# Allegro board LAY-29615_B4.brd (continued)
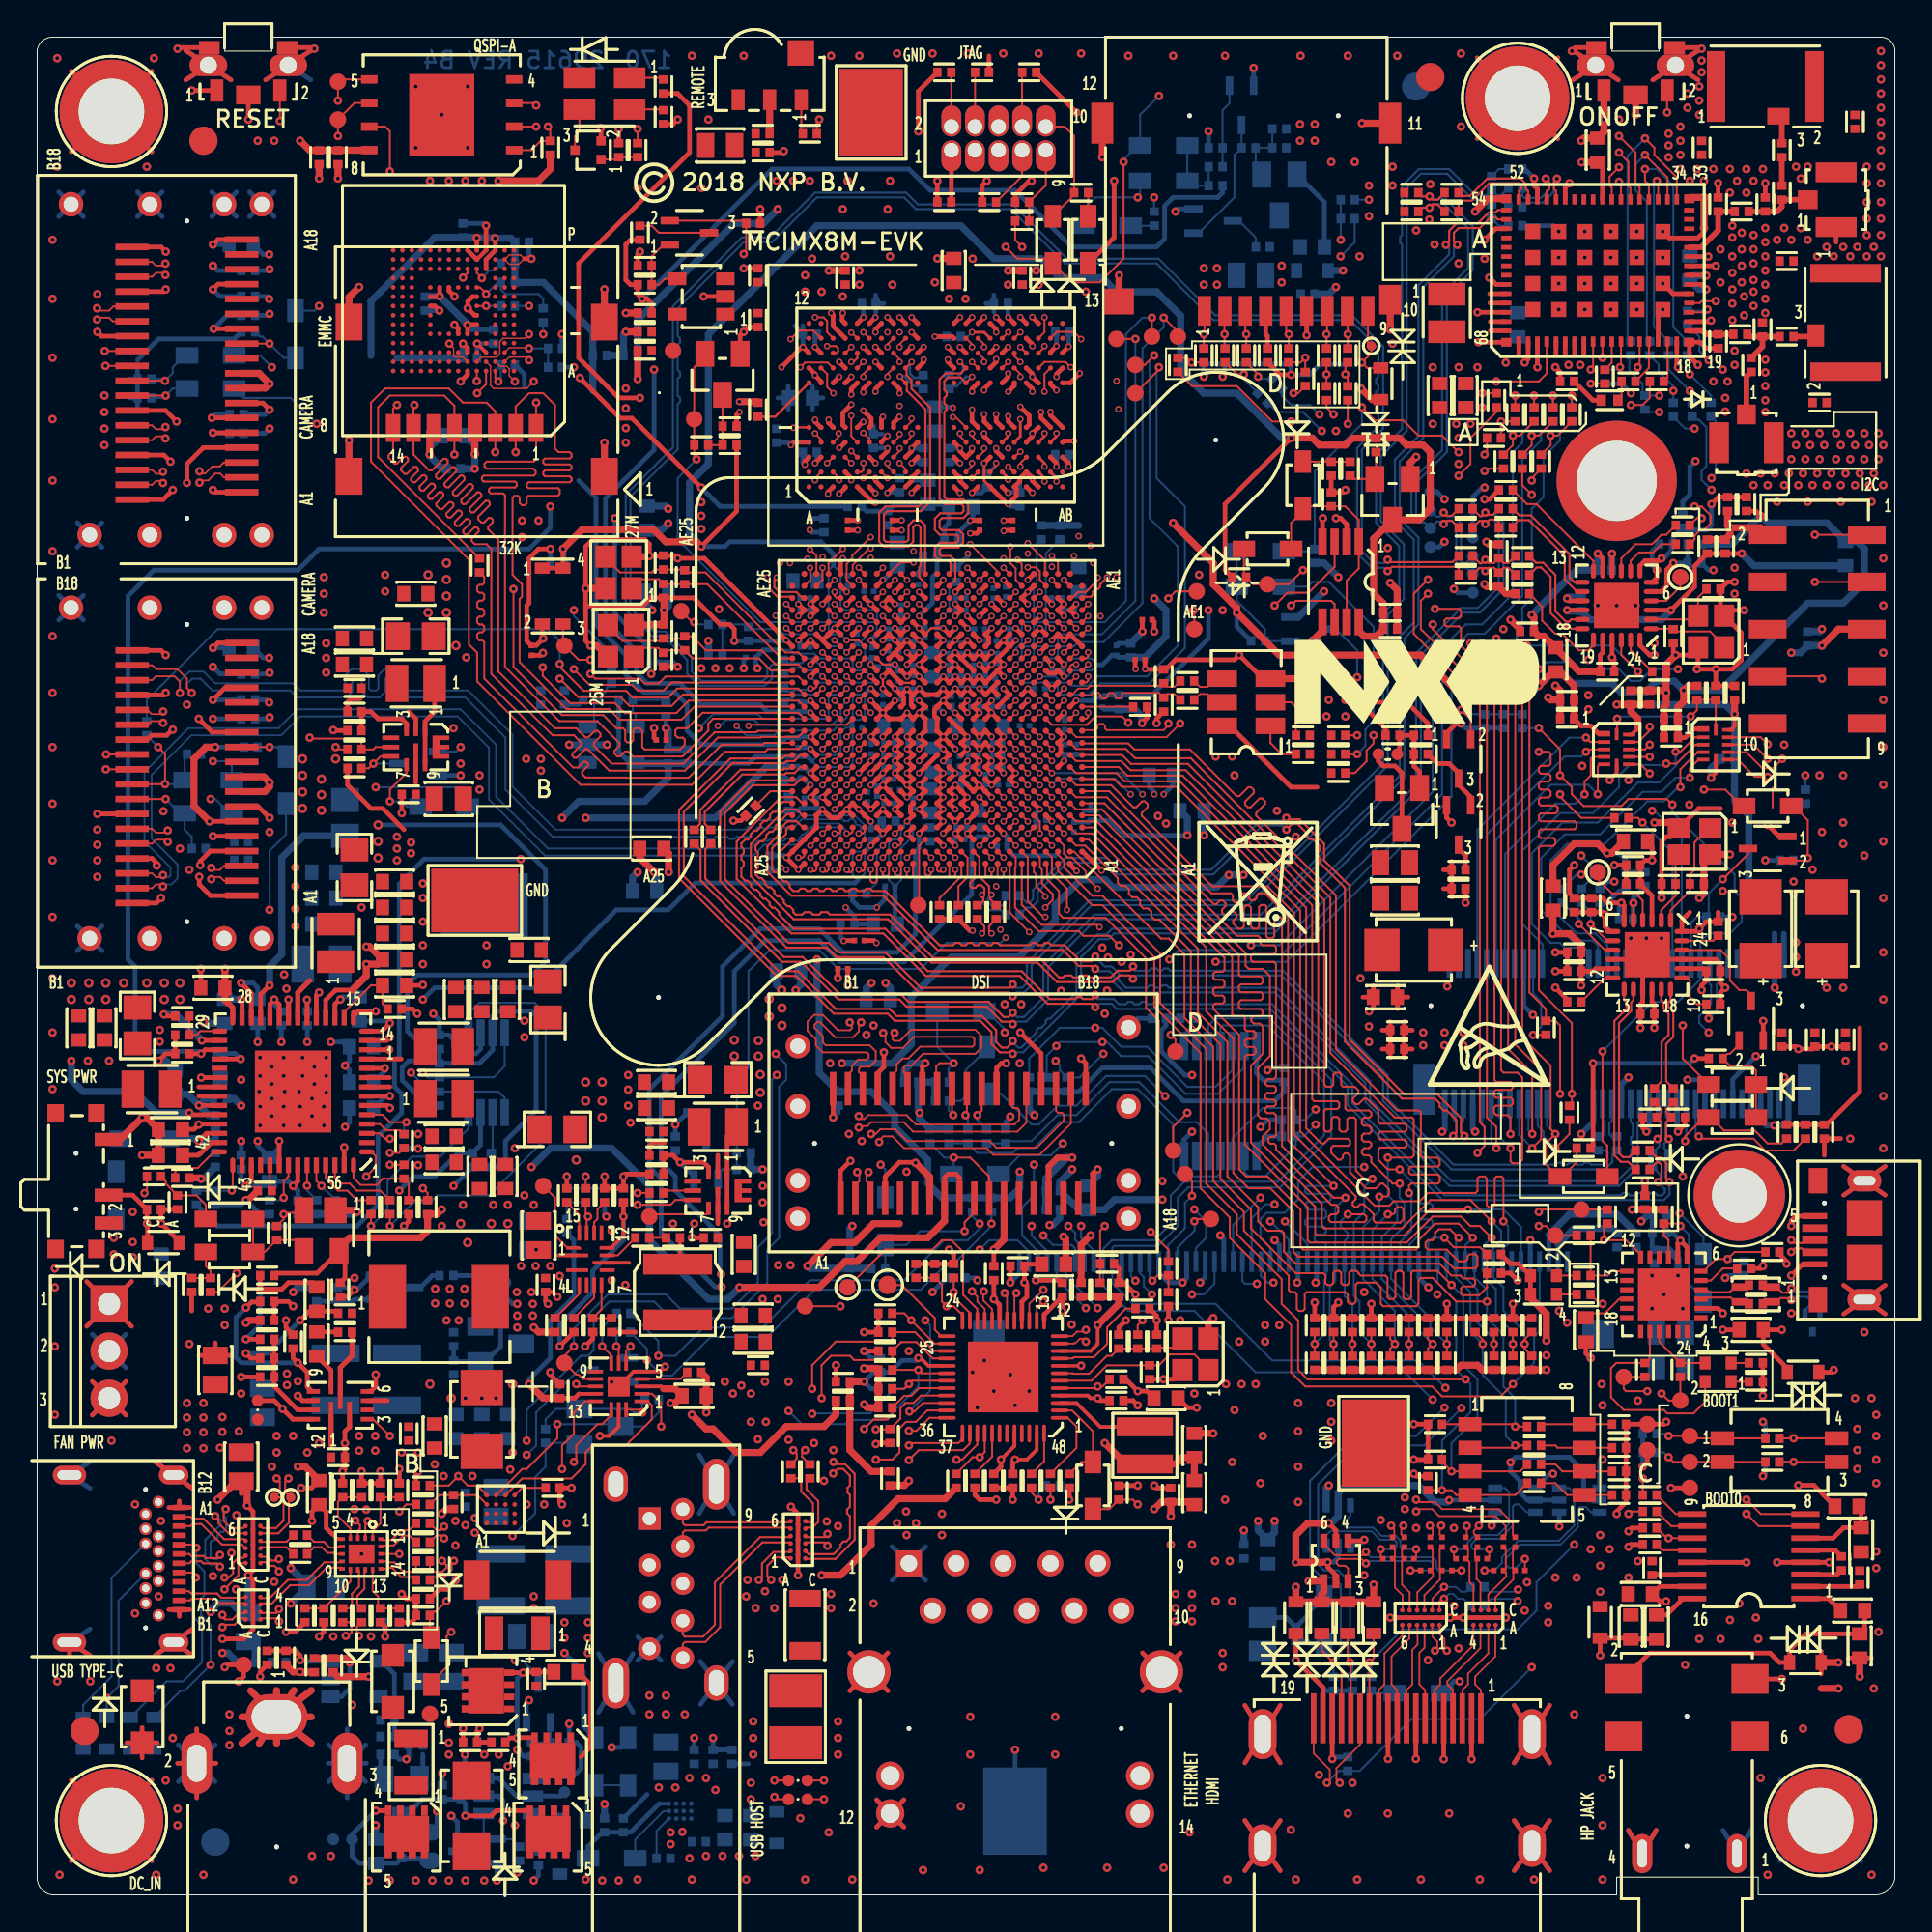
[diagram p0: board, top side]
## Routing (per net, layer and track width the routed paths; a pad name or vN(x,y) marks a point on that pad's centre or on a via; arc(x,y) is an arc through that point) (continued)
  L3_POWER_1 w0.254: 1.16,91.67 J1502.T8 ; J1502.T8 1.16,90.34 ; J1502.T8 2.49,90.34 ; J1502.T8 2.49,91.67 ; J1502.T7 6.73,90.34 ; J1502.T7 5.4,90.34 ; J1502.T7 6.73,91.67 ; J1502.T7 5.4,91.67 ; J901.SH3 2.85,23.31 ; J901.SH3 0.63,23.31 ; J901.SH3 0.63,21.89 ; J901.SH3 2.85,21.89 ; 97.24,32.82 J1701.S1 ; J1701.S1 97.24,31.27 ; J1701.S1 99.48,32.82 ; J1701.S1 99.48,31.27 ; 2.16,50.83 J1503.T4 2.16,52.15 ; 90.75,3.48 J1101.1 92.25,3.48 ; SW1702.7 10.44,97.7 ; SW1702.7 8,97.7 ; SW1702.7 8,99.28 ; 8.59,5.23 J902.2 ; J902.2 8.59,8.94 ; J902.2 9.62,7.08 ; J902.2 7.56,7.08 ; 15.66,7.08 J902.3 ; J902.3 17.72,7.08 ; J902.3 16.69,8.94 ; J902.3 16.69,5.23 ; J1201.12 46.65,5.12 ; J1201.12 45.19,3.65 ; J1201.12 45.19,5.12 ; J1201.12 46.65,3.65 ; BH1402.1 6.17,93.83 ; BH1402.1 1.83,98.17 ; BH1402.1 1.83,93.83 ; BH1402.1 6.17,98.17 ; 65.01,1.31 J1001.G4 ; J1001.G4 66.92,4 ; J1001.G4 65.01,4 ; J1001.G4 66.92,1.31 ; 8.35,23.31 J901.SH1 6.35,23.31 ; 2.97,27.64 J802.3 ; J802.3 2.97,25.83 ; J802.3 4.78,25.83 ; J802.3 4.78,27.64 ; 87.15,3.48 J1101.4 85.65,3.48 ; J1001.G3 81.42,1.31 ; J1001.G3 79.51,4 ; J1001.G3 79.51,1.31 ; J1001.G3 81.42,4 ; 0.63,12.89 J901.SH4 ; J901.SH4 2.85,14.31 ; J901.SH4 0.63,14.31 ; J901.SH4 2.85,12.89 ; 86.97,97.7 SW1701.6 ; SW1701.6 89.41,99.28 ; SW1701.6 89.41,97.7 ; 2.97,30.91 J802.1 ; J802.1 4.78,32.72 ; J802.1 2.97,32.72 ; J802.1 4.78,30.91 ; BH1404.1 98.17,1.83 ; BH1404.1 98.17,6.17 ; BH1404.1 93.83,6.17 ; BH1404.1 93.83,1.83 ; 1.83,6.17 BH1401.1 ; BH1401.1 6.17,1.83 ; BH1401.1 6.17,6.17 ; BH1401.1 1.83,1.83 ; 82.67,97.7 SW1701.7 ; SW1701.7 85.11,97.7 ; SW1701.7 82.67,99.28 ; BH1403.1 81.86,94.54 ; BH1403.1 77.52,94.54 ; BH1403.1 81.86,98.88 ; BH1403.1 77.52,98.88 ; 7.35,12.89 J901.SH2 ; J901.SH2 6.35,12.89 ; J901.SH2 7.35,14.24 J901.B1 ; 12.3,97.7 SW1702.6 ; SW1702.6 14.74,99.28 ; SW1702.6 14.74,97.7 ; 97.24,39.22 J1701.S2 ; J1701.S2 97.24,37.67 ; J1701.S2 99.48,37.67 ; J1701.S2 99.48,39.22
  L4_INT_1 w0.254: 82.67,97.7 SW1701.7 ; SW1701.7 82.67,99.28 ; SW1701.7 85.11,97.7 ; BH1406.1 87.41,78.5 ; BH1406.1 82.64,73.73 ; BH1406.1 82.64,78.5 ; BH1406.1 87.41,73.73 ; 46.24,17.15 J1201.1 ; J1201.1 47.61,17.15 ; J1201.1 46.24,18.53 ; J1201.1 47.61,18.53 ; J1502.T6 10.73,90.34 ; J1502.T6 10.73,91.67 ; J1502.T6 9.4,91.67 ; J1502.T6 9.4,90.34 ; BH1404.1 98.17,1.83 ; BH1404.1 98.17,6.17 ; BH1404.1 93.83,6.17 ; BH1404.1 93.83,1.83 ; 97.24,32.82 J1701.S1 ; J1701.S1 99.48,31.27 ; J1701.S1 97.24,31.27 ; J1701.S1 99.48,32.82 ; 8.35,21.89 J901.SH1 7.35,21.89 ; SW1701.6 89.41,99.28 ; SW1701.6 86.97,97.7 ; SW1701.6 89.41,97.7 ; 79.51,10.2 J1001.G1 ; J1001.G1 81.42,10.2 ; J1001.G1 79.51,7.1 ; J1001.G1 81.42,7.1 ; 7.56,7.08 J902.2 ; J902.2 9.62,7.08 ; J902.2 8.59,8.94 ; J902.2 8.59,5.23 ; 65.01,4 J1001.G4 ; J1001.G4 66.92,4 ; J1001.G4 65.01,1.31 ; J1001.G4 66.92,1.31 ; 65.01,10.2 J1001.G2 ; J1001.G2 66.92,10.2 ; J1001.G2 65.01,7.1 ; J1001.G2 66.92,7.1 ; 12.3,97.7 SW1702.6 ; SW1702.6 14.74,97.7 ; SW1702.6 14.74,99.28 ; 97.24,37.67 J1701.S2 ; J1701.S2 99.48,39.22 ; J1701.S2 97.24,39.22 ; J1701.S2 99.48,37.67 ; 87.15,3.48 J1101.4 85.65,3.48 ; 11.43,91.67 J1502.T5 ; J1502.T5 12.76,91.67 ; J1502.T5 12.76,90.34 ; J1502.T5 11.43,90.34 ; 1.83,93.83 BH1402.1 ; BH1402.1 6.17,93.83 ; BH1402.1 6.17,98.17 ; BH1402.1 1.83,98.17 ; 77.52,94.54 BH1403.1 ; BH1403.1 81.86,94.54 ; BH1403.1 77.52,98.88 ; BH1403.1 81.86,98.88 ; J1502.T8 2.49,91.67 ; J1502.T8 2.49,90.34 ; J1502.T8 1.16,91.67 ; J1502.T8 1.16,90.34 ; J1502.T7 6.73,90.34 ; J1502.T7 6.73,91.67 ; J1502.T7 5.4,91.67 ; J1502.T7 5.4,90.34 ; 79.51,4 J1001.G3 ; J1001.G3 81.42,4 ; J1001.G3 81.42,1.31 ; J1001.G3 79.51,1.31 ; J1201.12 46.65,3.65 ; J1201.12 45.19,5.12 ; J1201.12 46.65,5.12 ; J1201.12 45.19,3.65 ; J901.SH2 8.35,12.89 ; J901.SH2 8.35,14.31 ; J901.SH2 6.35,12.89 ; 8,99.28 SW1702.7 ; SW1702.7 8,97.7 ; SW1702.7 10.44,97.7 ; BH1405.1 93.57,39.59 ; BH1405.1 89.69,39.59 ; BH1405.1 89.69,35.72 ; BH1405.1 93.57,35.72 ; BH1401.1 6.17,1.83 ; BH1401.1 1.83,1.83 ; BH1401.1 6.17,6.17 ; BH1401.1 1.83,6.17 ; 1.74,21.89 J901.SH3 2.85,21.89 ; 2.85,12.89 J901.SH4 2.85,14.31 ; 92.25,3.48 J1101.1 90.75,3.48
  L5_GND_2 w0.254: J1001.G2 66.92,7.1 ; J1001.G2 65.01,7.1 ; J1001.G2 65.01,10.2 ; J1001.G2 66.92,10.2 ; 6.35,12.89 J901.SH2 ; J901.SH2 8.35,14.31 ; J901.SH2 8.35,12.89 ; J1503.T8 2.49,68.63 ; J1503.T8 2.49,69.95 ; J1503.T8 1.16,69.95 ; J1503.T8 1.16,68.63 ; 1.16,90.34 J1502.T8 ; J1502.T8 2.49,91.67 ; J1502.T8 2.49,90.34 ; J1502.T8 1.16,91.67 ; 9.4,52.15 J1503.T2 ; J1503.T2 10.73,50.83 ; J1503.T2 9.4,50.83 ; J1503.T2 10.73,52.15 ; 2.16,52.15 J1503.T4 ; J1503.T4 3.49,52.15 ; J1503.T4 2.16,50.83 ; J1503.T4 3.49,50.83 ; 30.22,9.83 J903.S2 ; J903.S2 32.07,9.83 ; J903.S2 32.07,12.98 ; J903.S2 30.22,12.98 ; 2.85,12.89 J901.SH4 2.85,14.31 ; 8.59,5.23 J902.2 ; J902.2 7.56,7.08 ; J902.2 9.62,7.08 ; J902.2 8.59,8.94 ; 82.64,73.73 BH1406.1 ; BH1406.1 87.41,73.73 ; BH1406.1 82.64,78.5 ; BH1406.1 87.41,78.5 ; J1501.T2 41.61,39.11 ; J1501.T2 40.29,39.11 ; J1501.T2 40.29,37.79 ; J1501.T2 41.61,37.79 ; J1001.G3 81.42,4 ; J1001.G3 79.51,1.31 ; J1001.G3 81.42,1.31 ; J1001.G3 79.51,4 ; J1502.T6 10.73,91.67 ; J1502.T6 9.4,91.67 ; J1502.T6 9.4,90.34 ; J1502.T6 10.73,90.34 ; 40.29,41.79 J1501.T3 ; J1501.T3 41.61,41.79 ; J1501.T3 41.61,43.11 ; J1501.T3 40.29,43.11 ; 86.97,97.7 SW1701.6 ; SW1701.6 89.41,97.7 ; SW1701.6 89.41,99.28 ; 97.24,39.22 J1701.S2 ; J1701.S2 99.48,39.22 ; J1701.S2 97.24,37.67 ; J1701.S2 99.48,37.67 ; 77.52,98.88 BH1403.1 ; BH1403.1 77.52,94.54 ; BH1403.1 81.86,94.54 ; BH1403.1 81.86,98.88 ; J903.S4 37.43,12.56 ; J903.S4 37.43,10.25 ; J903.S4 35.7,10.25 ; J903.S4 35.7,12.56 ; J903.7 35.38,17.38 ; J903.7 34.13,17.38 ; J903.7 34.13,16.13 ; J903.7 35.38,16.13 ; J1503.T1 12.76,50.83 ; J1503.T1 12.76,52.15 ; J1503.T1 11.43,50.83 ; J1503.T1 11.43,52.15 ; 15.66,7.08 J902.3 ; J902.3 16.69,8.94 ; J902.3 16.69,5.23 ; J902.3 17.72,7.08 ; SW1702.6 14.74,97.7 ; SW1702.6 12.3,97.7 ; SW1702.6 14.74,99.28 ; J1001.G4 66.92,4 ; J1001.G4 65.01,4 ; J1001.G4 65.01,1.31 ; J1001.G4 66.92,1.31 ; J901.SH1 8.35,21.89 ; J901.SH1 8.35,23.31 ; J901.SH1 6.35,23.31 ; 2.97,32.72 J802.1 ; J802.1 2.97,30.91 ; J802.1 4.78,30.91 ; J802.1 4.78,32.72 ; J1503.T3 6.73,52.15 ; J1503.T3 5.4,50.83 ; J1503.T3 6.73,50.83 ; J1503.T3 5.4,52.15 ; 30.28,20.95 J903.S1 ; J903.S1 30.28,23.26 ; J903.S1 32.01,20.95 ; J903.S1 32.01,23.26 ; 11.43,73.87 J1502.T1 ; J1502.T1 11.43,72.54 ; J1502.T1 12.76,72.54 ; J1502.T1 12.76,73.87 ; 52.49,92.57 J401.5 51.01,92.57 ; 82.67,97.7 SW1701.7 ; SW1701.7 85.11,97.7 ; SW1701.7 82.67,99.28 ; 1.83,6.17 BH1401.1 ; BH1401.1 6.17,6.17 ; BH1401.1 1.83,1.83 ; BH1401.1 6.17,1.83 ; BH1405.1 93.57,35.72 ; BH1405.1 93.57,39.59 ; BH1405.1 89.69,35.72 ; BH1405.1 89.69,39.59 ; J1501.T7 59.41,41.79 ; J1501.T7 58.08,41.79 ; J1501.T7 58.08,43.11 ; J1501.T7 59.41,43.11 ; BH1402.1 6.17,98.17 ; BH1402.1 1.83,98.17 ; BH1402.1 1.83,93.83 ; BH1402.1 6.17,93.83 ; 79.51,7.1 J1001.G1 ; J1001.G1 81.42,10.2 ; J1001.G1 79.51,10.2 ; J1001.G1 81.42,7.1 ; 8,99.28 SW1702.7 ; SW1702.7 10.44,97.7 ; SW1702.7 8,97.7 ; J1502.T2 10.73,72.54 ; J1502.T2 10.73,73.87 ; J1502.T2 9.4,72.54 ; J1502.T2 9.4,73.87 ; 58.08,39.11 J1501.T6 ; J1501.T6 59.41,39.11 ; J1501.T6 58.08,37.79 ; J1501.T6 59.41,37.79 ; J1502.T5 12.76,90.34 ; J1502.T5 11.43,90.34 ; J1502.T5 11.43,91.67 ; J1502.T5 12.76,91.67 ; 51.22,92.57 J401.3 49.74,92.57 ; J1501.T1 41.61,35.76 ; J1501.T1 40.29,35.76 ; J1501.T1 40.29,37.08 ; J1501.T1 41.61,37.08 ; J1501.T4 41.61,45.03 ; J1501.T4 40.29,45.03 ; J1501.T4 41.61,46.35 ; J1502.T4 3.49,72.54 ; J1502.T4 2.16,72.54 ; J1502.T4 3.49,73.87 ; J1502.T4 2.16,73.87 ; 9.4,68.63 J1503.T6 ; J1503.T6 9.4,69.95 ; J1503.T6 10.73,69.95 ; J1503.T6 10.73,68.63 ; J1502.T7 6.73,90.34 ; J1502.T7 5.4,91.67 ; J1502.T7 5.4,90.34 ; J1502.T7 6.73,91.67 ; J1501.T8 59.41,47.35 ; J1501.T8 58.08,46.03 ; J1501.T8 58.08,47.35 ; J1501.T8 59.41,46.03 ; 2.97,27.64 J802.3 ; J802.3 2.97,25.83 ; J802.3 4.78,25.83 ; J802.3 4.78,27.64 ; J1501.T5 59.41,37.08 ; J1501.T5 58.08,37.08 ; J1501.T5 58.08,35.76 ; J1501.T5 59.41,35.76 ; BH1404.1 98.17,1.83 ; BH1404.1 93.83,1.83 ; BH1404.1 98.17,6.17 ; BH1404.1 93.83,6.17 ; J1201.1 47.61,18.53 ; J1201.1 46.24,18.53 ; J1201.1 46.24,17.15 ; J1201.1 47.61,17.15 ; J903.S3 37.49,23.68 ; J903.S3 37.49,20.53 ; J903.S3 35.64,23.68 ; J903.S3 35.64,20.53 ; 11.43,69.95 J1503.T5 ; J1503.T5 12.76,69.95 ; J1503.T5 11.43,68.63 ; J1503.T5 12.76,68.63 ; 5.4,73.87 J1502.T3 ; J1502.T3 6.73,73.87 ; J1502.T3 5.4,72.54 ; J1502.T3 6.73,72.54 ; 45.19,3.65 J1201.12 ; J1201.12 46.65,5.12 ; J1201.12 45.19,5.12 ; J1201.12 46.65,3.65 ; 5.4,68.63 J1503.T7 ; J1503.T7 6.73,68.63 ; J1503.T7 6.73,69.95 ; J1503.T7 5.4,69.95 ; J903.4 33.58,13.88 ; J903.4 33.58,12.63 ; J903.4 32.33,12.63 ; J903.4 32.33,13.88 ; 87.15,3.48 J1101.4 85.65,3.48 ; J1701.S1 99.48,31.27 ; J1701.S1 97.24,32.82 ; J1701.S1 99.48,32.82 ; J1701.S1 97.24,31.27 ; 92.25,3.48 J1101.1 90.75,3.48 ; 2.85,21.89 J901.SH3 2.85,23.31
  L6_INT_2 w0.254: 8.59,5.23 J902.2 ; J902.2 9.62,7.08 ; J902.2 7.56,7.08 ; J902.2 8.59,8.94 ; J1001.G3 81.42,1.31 ; J1001.G3 81.42,4 ; J1001.G3 79.51,4 ; J1001.G3 79.51,1.31 ; 2.97,25.83 J802.3 ; J802.3 2.97,27.64 ; J802.3 4.78,25.83 ; J802.3 4.78,27.64 ; 1.16,90.34 J1502.T8 ; J1502.T8 1.16,91.67 ; J1502.T8 2.49,90.34 ; J1502.T8 2.49,91.67 ; SW1701.7 85.11,97.7 ; SW1701.7 82.67,97.7 ; SW1701.7 82.67,99.28 ; 90.75,3.48 J1101.1 92.25,3.48 ; SW1701.6 89.41,99.28 ; SW1701.6 86.97,97.7 ; SW1701.6 89.41,97.7 ; 2.16,50.83 J1503.T4 ; J1503.T4 3.49,50.83 ; J1503.T4 3.49,52.15 ; J1503.T4 2.16,52.15 ; 2.16,72.54 J1502.T4 ; J1502.T4 3.49,72.54 ; J1502.T4 2.16,73.87 ; J1502.T4 3.49,73.87 ; 93.83,1.83 BH1404.1 ; BH1404.1 98.17,6.17 ; BH1404.1 93.83,6.17 ; BH1404.1 98.17,1.83 ; BH1401.1 6.17,1.83 ; BH1401.1 1.83,6.17 ; BH1401.1 6.17,6.17 ; BH1401.1 1.83,1.83 ; 45.19,5.12 J1201.12 ; J1201.12 46.65,3.65 ; J1201.12 45.19,3.65 ; J1201.12 46.65,5.12 ; J1001.G4 66.92,4 ; J1001.G4 66.92,1.31 ; J1001.G4 65.01,4 ; J1001.G4 65.01,1.31 ; 8,99.28 SW1702.7 ; SW1702.7 10.44,97.7 ; SW1702.7 8,97.7 ; 85.65,3.48 J1101.4 87.15,3.48 ; 1.83,93.83 BH1402.1 ; BH1402.1 6.17,93.83 ; BH1402.1 1.83,98.17 ; BH1402.1 6.17,98.17 ; J1502.T7 6.73,91.67 ; J1502.T7 5.4,90.34 ; J1502.T7 6.73,90.34 ; J1502.T7 5.4,91.67 ; J802.1 4.78,32.72 ; J802.1 4.78,30.91 ; J802.1 2.97,30.91 ; J802.1 2.97,32.72 ; J1001.G1 81.42,10.2 ; J1001.G1 81.42,7.1 ; J1001.G1 79.51,10.2 ; J1001.G1 79.51,7.1 ; J901.SH2 8.35,14.31 ; J901.SH2 6.35,12.89 ; J901.SH2 8.35,12.89 ; 2.85,12.89 J901.SH4 2.85,14.31 ; J902.3 16.69,8.94 ; J902.3 16.69,5.23 ; J902.3 17.72,7.08 ; J902.3 15.66,7.08 ; J1503.T8 2.49,69.95 ; J1503.T8 1.16,69.95 ; J1503.T8 2.49,68.63 ; J1503.T8 1.16,68.63 ; J1701.S2 99.48,39.22 ; J1701.S2 97.24,37.67 ; J1701.S2 99.48,37.67 ; J1701.S2 97.24,39.22 ; BH1403.1 81.86,94.54 ; BH1403.1 77.52,94.54 ; BH1403.1 77.52,98.88 ; BH1403.1 81.86,98.88 ; SW1702.6 14.74,99.28 ; SW1702.6 12.3,97.7 ; SW1702.6 14.74,97.7 ; J901.SH1 8.35,21.89 ; J901.SH1 6.35,23.31 ; J901.SH1 8.35,23.31 ; 2.85,21.89 J901.SH3 2.85,23.31 ; J1001.G2 66.92,7.1 ; J1001.G2 65.01,10.2 ; J1001.G2 66.92,10.2 ; J1001.G2 65.01,7.1 ; 97.24,31.27 J1701.S1 ; J1701.S1 97.24,32.82 ; J1701.S1 99.48,31.27 ; J1701.S1 99.48,32.82 ; BH1405.1 93.57,35.72 ; BH1405.1 93.57,39.59 ; BH1405.1 89.69,39.59 ; BH1405.1 89.69,35.72
  L7_GND_3 w0.254: J1502.T5 12.76,91.67 ; J1502.T5 11.43,91.67 ; J1502.T5 11.43,90.34 ; J1502.T5 12.76,90.34 ; J1503.T3 6.73,52.15 ; J1503.T3 5.4,50.83 ; J1503.T3 6.73,50.83 ; J1503.T3 5.4,52.15 ; 65.01,1.31 J1001.G4 ; J1001.G4 66.92,1.31 ; J1001.G4 65.01,4 ; J1001.G4 66.92,4 ; 9.4,50.83 J1503.T2 ; J1503.T2 9.4,52.15 ; J1503.T2 10.73,52.15 ; J1503.T2 10.73,50.83 ; 30.28,20.95 J903.S1 ; J903.S1 32.01,20.95 ; J903.S1 32.01,23.26 ; J903.S1 30.28,23.26 ; J802.3 4.78,25.83 ; J802.3 2.97,27.64 ; J802.3 2.97,25.83 ; J802.3 4.78,27.64 ; J901.SH1 8.35,21.89 ; J901.SH1 8.35,23.31 ; J901.SH1 6.35,23.31 ; J1001.G2 66.92,10.2 ; J1001.G2 66.92,7.1 ; J1001.G2 65.01,7.1 ; J1001.G2 65.01,10.2 ; J903.4 33.58,13.88 ; J903.4 33.58,12.63 ; J903.4 32.33,13.88 ; J903.4 32.33,12.63 ; J1502.T3 6.73,72.54 ; J1502.T3 5.4,73.87 ; J1502.T3 6.73,73.87 ; J1502.T3 5.4,72.54 ; 1.16,90.34 J1502.T8 ; J1502.T8 2.49,91.67 ; J1502.T8 2.49,90.34 ; J1502.T8 1.16,91.67 ; J903.S3 37.49,20.53 ; J903.S3 37.49,23.68 ; J903.S3 35.64,20.53 ; J903.S3 35.64,23.68 ; J902.3 17.72,7.08 ; J902.3 16.69,5.23 ; J902.3 15.66,7.08 ; J902.3 16.69,8.94 ; J903.S4 37.43,12.56 ; J903.S4 37.43,10.25 ; J903.S4 35.7,10.25 ; J903.S4 35.7,12.56 ; J903.7 35.38,17.38 ; J903.7 34.13,17.38 ; J903.7 34.13,16.13 ; J903.7 35.38,16.13 ; 1.16,69.95 J1503.T8 ; J1503.T8 1.16,68.63 ; J1503.T8 2.49,69.95 ; J1503.T8 2.49,68.63 ; 5.4,91.67 J1502.T7 ; J1502.T7 6.73,90.34 ; J1502.T7 5.4,90.34 ; J1502.T7 6.73,91.67 ; SW1701.7 85.11,97.7 ; SW1701.7 82.67,97.7 ; SW1701.7 82.67,99.28 ; 77.52,98.88 BH1403.1 ; BH1403.1 81.86,94.54 ; BH1403.1 81.86,98.88 ; BH1403.1 77.52,94.54 ; 82.64,73.73 BH1406.1 ; BH1406.1 87.41,78.5 ; BH1406.1 87.41,73.73 ; BH1406.1 82.64,78.5 ; 58.08,41.79 J1501.T7 ; J1501.T7 58.08,43.11 ; J1501.T7 59.41,41.79 ; J1501.T7 59.41,43.11 ; J1501.T2 41.61,39.11 ; J1501.T2 40.29,39.11 ; J1501.T2 41.61,37.79 ; J1501.T2 40.29,37.79 ; 58.08,37.79 J1501.T6 ; J1501.T6 59.41,37.79 ; J1501.T6 58.08,39.11 ; J1501.T6 59.41,39.11 ; J1701.S1 99.48,31.27 ; J1701.S1 97.24,31.27 ; J1701.S1 99.48,32.82 ; J1701.S1 97.24,32.82 ; 87.15,3.48 J1101.4 85.65,3.48 ; J1501.T8 59.41,46.03 ; J1501.T8 58.08,46.03 ; J1501.T8 58.08,47.35 ; J1501.T8 59.41,47.35 ; 40.29,45.03 J1501.T4 ; J1501.T4 41.61,46.35 ; J1501.T4 41.61,45.03 ; J1503.T4 3.49,50.83 ; J1503.T4 2.16,52.15 ; J1503.T4 3.49,52.15 ; J1503.T4 2.16,50.83 ; J1502.T2 10.73,72.54 ; J1502.T2 9.4,73.87 ; J1502.T2 9.4,72.54 ; J1502.T2 10.73,73.87 ; J1503.T5 12.76,68.63 ; J1503.T5 11.43,69.95 ; J1503.T5 11.43,68.63 ; J1503.T5 12.76,69.95 ; SW1701.6 89.41,97.7 ; SW1701.6 89.41,99.28 ; SW1701.6 86.97,97.7 ; 93.83,1.83 BH1404.1 ; BH1404.1 98.17,1.83 ; BH1404.1 98.17,6.17 ; BH1404.1 93.83,6.17 ; 79.51,1.31 J1001.G3 ; J1001.G3 81.42,4 ; J1001.G3 81.42,1.31 ; J1001.G3 79.51,4 ; J1201.1 47.61,17.15 ; J1201.1 46.24,18.53 ; J1201.1 46.24,17.15 ; J1201.1 47.61,18.53 ; 8,99.28 SW1702.7 ; SW1702.7 8,97.7 ; SW1702.7 10.44,97.7 ; J1001.G1 81.42,7.1 ; J1001.G1 81.42,10.2 ; J1001.G1 79.51,7.1 ; J1001.G1 79.51,10.2 ; J902.2 9.62,7.08 ; J902.2 8.59,8.94 ; J902.2 8.59,5.23 ; J902.2 7.56,7.08 ; 1.83,93.83 BH1402.1 ; BH1402.1 6.17,93.83 ; BH1402.1 1.83,98.17 ; BH1402.1 6.17,98.17 ; 5.4,68.63 J1503.T7 ; J1503.T7 6.73,68.63 ; J1503.T7 6.73,69.95 ; J1503.T7 5.4,69.95 ; J1501.T1 41.61,37.08 ; J1501.T1 40.29,37.08 ; J1501.T1 40.29,35.76 ; J1501.T1 41.61,35.76 ; J901.SH2 8.35,12.89 ; J901.SH2 6.35,12.89 ; J901.SH2 8.35,14.31 ; J1503.T1 12.76,50.83 ; J1503.T1 11.43,50.83 ; J1503.T1 11.43,52.15 ; J1503.T1 12.76,52.15 ; J903.S2 32.07,9.83 ; J903.S2 32.07,12.98 ; J903.S2 30.22,12.98 ; J903.S2 30.22,9.83 ; 2.85,14.31 J901.SH4 2.85,12.89 ; J1502.T4 3.49,73.87 ; J1502.T4 2.16,72.54 ; J1502.T4 3.49,72.54 ; J1502.T4 2.16,73.87 ; J1501.T5 59.41,35.76 ; J1501.T5 58.08,35.76 ; J1501.T5 58.08,37.08 ; J1501.T5 59.41,37.08 ; J1201.12 46.65,5.12 ; J1201.12 45.19,3.65 ; J1201.12 45.19,5.12 ; J1201.12 46.65,3.65 ; 2.85,21.89 J901.SH3 2.85,23.31 ; 1.83,6.17 BH1401.1 ; BH1401.1 6.17,1.83 ; BH1401.1 6.17,6.17 ; BH1401.1 1.83,1.83 ; 11.43,72.54 J1502.T1 ; J1502.T1 12.76,72.54 ; J1502.T1 12.76,73.87 ; J1502.T1 11.43,73.87 ; 89.69,35.72 BH1405.1 ; BH1405.1 93.57,35.72 ; BH1405.1 93.57,39.59 ; BH1405.1 89.69,39.59 ; 52.49,92.57 J401.5 51.01,92.57 ; 51.22,92.57 J401.3 49.74,92.57 ; J802.1 4.78,30.91 ; J802.1 2.97,32.72 ; J802.1 4.78,32.72 ; J802.1 2.97,30.91 ; 40.29,43.11 J1501.T3 ; J1501.T3 41.61,43.11 ; J1501.T3 41.61,41.79 ; J1501.T3 40.29,41.79 ; J1503.T6 10.73,68.63 ; J1503.T6 10.73,69.95 ; J1503.T6 9.4,68.63 ; J1503.T6 9.4,69.95 ; J1701.S2 99.48,39.22 ; J1701.S2 97.24,37.67 ; J1701.S2 99.48,37.67 ; J1701.S2 97.24,39.22 ; J1502.T6 10.73,90.34 ; J1502.T6 10.73,91.67 ; J1502.T6 9.4,90.34 ; J1502.T6 9.4,91.67 ; 90.75,3.48 J1101.1 92.25,3.48 ; 12.3,97.7 SW1702.6 ; SW1702.6 14.74,97.7 ; SW1702.6 14.74,99.28
  L8_INT_3 w0.254: 7.56,7.08 J902.2 ; J902.2 8.59,5.23 ; J902.2 9.62,7.08 ; J902.2 8.59,8.94 ; 1.16,68.63 J1503.T8 ; J1503.T8 2.49,68.63 ; J1503.T8 2.49,69.95 ; J1503.T8 1.16,69.95 ; SW1701.6 89.41,99.28 ; SW1701.6 89.41,97.7 ; SW1701.6 86.97,97.7 ; BH1405.1 93.57,39.59 ; BH1405.1 89.69,35.72 ; BH1405.1 93.57,35.72 ; BH1405.1 89.69,39.59 ; J1502.T8 2.49,90.34 ; J1502.T8 1.16,90.34 ; J1502.T8 2.49,91.67 ; J1502.T8 1.16,91.67 ; BH1403.1 81.86,94.54 ; BH1403.1 81.86,98.88 ; BH1403.1 77.52,94.54 ; BH1403.1 77.52,98.88 ; 15.66,7.08 J902.3 ; J902.3 16.69,8.94 ; J902.3 16.69,5.23 ; J902.3 17.72,7.08 ; 2.16,72.54 J1502.T4 2.16,73.87 ; 92.25,3.48 J1101.1 90.75,3.48 ; BH1401.1 6.17,1.83 ; BH1401.1 1.83,6.17 ; BH1401.1 1.83,1.83 ; BH1401.1 6.17,6.17 ; 87.15,3.48 J1101.4 85.65,3.48 ; BH1402.1 6.17,98.17 ; BH1402.1 1.83,98.17 ; BH1402.1 1.83,93.83 ; BH1402.1 6.17,93.83 ; SW1701.7 85.11,97.7 ; SW1701.7 82.67,99.28 ; SW1701.7 82.67,97.7 ; 2.97,27.64 J802.3 ; J802.3 2.97,25.83 ; J802.3 4.78,25.83 ; 79.51,4 J1001.G3 ; J1001.G3 79.51,1.31 ; J1001.G3 81.42,1.31 ; J1001.G3 81.42,4 ; 5.4,91.67 J1502.T7 ; J1502.T7 6.73,91.67 ; J1502.T7 6.73,90.34 ; J1502.T7 5.4,90.34 ; J1001.G1 81.42,10.2 ; J1001.G1 79.51,7.1 ; J1001.G1 79.51,10.2 ; J1001.G1 81.42,7.1 ; 93.83,1.83 BH1404.1 ; BH1404.1 93.83,6.17 ; BH1404.1 98.17,1.83 ; BH1404.1 98.17,6.17 ; 65.01,1.31 J1001.G4 ; J1001.G4 65.01,4 ; J1001.G4 66.92,1.31 ; J1001.G4 66.92,4 ; 8,99.28 SW1702.7 ; SW1702.7 8,97.7 ; SW1702.7 10.44,97.7 ; SW1702.6 14.74,97.7 ; SW1702.6 14.74,99.28 ; SW1702.6 12.3,97.7 ; 2.85,14.31 J901.SH4 2.85,12.89 ; 2.85,21.89 J901.SH3 2.85,23.31
  L9_GND_4 w0.254: J1001.G4 66.92,1.31 ; J1001.G4 65.01,1.31 ; J1001.G4 65.01,4 ; J1001.G4 66.92,4 ; J903.S4 37.43,12.56 ; J903.S4 37.43,10.25 ; J903.S4 35.7,10.25 ; J903.S4 35.7,12.56 ; 82.64,73.73 BH1406.1 ; BH1406.1 82.64,78.5 ; BH1406.1 87.41,73.73 ; BH1406.1 87.41,78.5 ; J1502.T8 2.49,90.34 ; J1502.T8 1.16,91.67 ; J1502.T8 1.16,90.34 ; J1502.T8 2.49,91.67 ; 11.43,72.54 J1502.T1 ; J1502.T1 12.76,73.87 ; J1502.T1 11.43,73.87 ; J1502.T1 12.76,72.54 ; J1503.T6 10.73,69.95 ; J1503.T6 9.4,69.95 ; J1503.T6 9.4,68.63 ; J1503.T6 10.73,68.63 ; J903.4 33.58,12.63 ; J903.4 32.33,12.63 ; J903.4 32.33,13.88 ; J903.4 33.58,13.88 ; J1501.T2 41.61,39.11 ; J1501.T2 40.29,39.11 ; J1501.T2 40.29,37.79 ; J1501.T2 41.61,37.79 ; 5.4,91.67 J1502.T7 ; J1502.T7 6.73,90.34 ; J1502.T7 6.73,91.67 ; J1502.T7 5.4,90.34 ; 49.74,92.57 J401.3 51.22,92.57 ; J1502.T4 3.49,72.54 ; J1502.T4 3.49,73.87 ; J1502.T4 2.16,72.54 ; J1502.T4 2.16,73.87 ; J1701.S1 99.48,31.27 ; J1701.S1 97.24,31.27 ; J1701.S1 97.24,32.82 ; J1701.S1 99.48,32.82 ; J1501.T4 41.61,45.03 ; J1501.T4 41.61,46.35 ; J1501.T4 40.29,45.03 ; 40.29,43.11 J1501.T3 ; J1501.T3 40.29,41.79 ; J1501.T3 41.61,41.79 ; J1501.T3 41.61,43.11 ; J1502.T3 6.73,73.87 ; J1502.T3 5.4,73.87 ; J1502.T3 6.73,72.54 ; J1502.T3 5.4,72.54 ; J901.SH1 8.35,21.89 ; J901.SH1 8.35,23.31 ; J901.SH1 6.35,23.31 ; 2.97,30.91 J802.1 ; J802.1 2.97,32.72 ; J802.1 4.78,32.72 ; J802.1 4.78,30.91 ; J1001.G3 81.42,1.31 ; J1001.G3 81.42,4 ; J1001.G3 79.51,4 ; J1001.G3 79.51,1.31 ; 58.08,35.76 J1501.T5 ; J1501.T5 58.08,37.08 ; J1501.T5 59.41,37.08 ; J1501.T5 59.41,35.76 ; J903.7 35.38,16.13 ; J903.7 34.13,17.38 ; J903.7 35.38,17.38 ; J903.7 34.13,16.13 ; 45.19,3.65 J1201.12 ; J1201.12 46.65,3.65 ; J1201.12 45.19,5.12 ; J1201.12 46.65,5.12 ; 2.16,50.83 J1503.T4 ; J1503.T4 3.49,50.83 ; J1503.T4 2.16,52.15 ; J1503.T4 3.49,52.15 ; 79.51,10.2 J1001.G1 ; J1001.G1 81.42,10.2 ; J1001.G1 81.42,7.1 ; J1001.G1 79.51,7.1 ; 16.69,5.23 J902.3 ; J902.3 17.72,7.08 ; J902.3 15.66,7.08 ; J902.3 16.69,8.94 ; J1503.T7 6.73,68.63 ; J1503.T7 5.4,68.63 ; J1503.T7 5.4,69.95 ; J1503.T7 6.73,69.95 ; J1501.T6 59.41,39.11 ; J1501.T6 58.08,39.11 ; J1501.T6 59.41,37.79 ; J1501.T6 58.08,37.79 ; 51.01,92.57 J401.5 52.49,92.57 ; J903.S3 37.49,20.53 ; J903.S3 35.64,23.68 ; J903.S3 37.49,23.68 ; J903.S3 35.64,20.53 ; 2.85,12.89 J901.SH4 2.85,14.31 ; BH1401.1 6.17,1.83 ; BH1401.1 1.83,6.17 ; BH1401.1 6.17,6.17 ; BH1401.1 1.83,1.83 ; 90.75,3.48 J1101.1 92.25,3.48 ; 6.35,12.89 J901.SH2 ; J901.SH2 8.35,12.89 ; J901.SH2 8.35,14.31 ; J1503.T8 2.49,69.95 ; J1503.T8 2.49,68.63 ; J1503.T8 1.16,68.63 ; J1503.T8 1.16,69.95 ; 11.43,90.34 J1502.T5 ; J1502.T5 12.76,90.34 ; J1502.T5 12.76,91.67 ; J1502.T5 11.43,91.67 ; J1503.T1 12.76,52.15 ; J1503.T1 11.43,50.83 ; J1503.T1 11.43,52.15 ; J1503.T1 12.76,50.83 ; BH1403.1 81.86,94.54 ; BH1403.1 77.52,98.88 ; BH1403.1 81.86,98.88 ; BH1403.1 77.52,94.54 ; J902.2 9.62,7.08 ; J902.2 7.56,7.08 ; J902.2 8.59,5.23 ; J902.2 8.59,8.94 ; J1501.T1 41.61,35.76 ; J1501.T1 40.29,35.76 ; J1501.T1 40.29,37.08 ; J1501.T1 41.61,37.08 ; 58.08,43.11 J1501.T7 ; J1501.T7 59.41,41.79 ; J1501.T7 58.08,41.79 ; J1501.T7 59.41,43.11 ; J802.3 4.78,27.64 ; J802.3 2.97,27.64 ; J802.3 4.78,25.83 ; J802.3 2.97,25.83 ; SW1701.6 89.41,97.7 ; SW1701.6 86.97,97.7 ; SW1701.6 89.41,99.28 ; 93.83,1.83 BH1404.1 ; BH1404.1 98.17,1.83 ; BH1404.1 93.83,6.17 ; BH1404.1 98.17,6.17 ; 8,99.28 SW1702.7 ; SW1702.7 10.44,97.7 ; SW1702.7 8,97.7 ; J1502.T6 10.73,91.67 ; J1502.T6 9.4,90.34 ; J1502.T6 10.73,90.34 ; J1502.T6 9.4,91.67 ; 30.28,23.26 J903.S1 ; J903.S1 30.28,20.95 ; J903.S1 32.01,23.26 ; J903.S1 32.01,20.95 ; 1.83,98.17 BH1402.1 ; BH1402.1 6.17,93.83 ; BH1402.1 1.83,93.83 ; BH1402.1 6.17,98.17 ; J1503.T3 6.73,52.15 ; J1503.T3 5.4,50.83 ; J1503.T3 6.73,50.83 ; J1503.T3 5.4,52.15 ; SW1701.7 85.11,97.7 ; SW1701.7 82.67,97.7 ; SW1701.7 82.67,99.28 ; J903.S2 32.07,12.98 ; J903.S2 32.07,9.83 ; J903.S2 30.22,12.98 ; J903.S2 30.22,9.83 ; J1201.1 47.61,18.53 ; J1201.1 46.24,17.15 ; J1201.1 46.24,18.53 ; J1201.1 47.61,17.15 ; 9.4,72.54 J1502.T2 ; J1502.T2 9.4,73.87 ; J1502.T2 10.73,72.54 ; J1502.T2 10.73,73.87 ; J1503.T5 12.76,69.95 ; J1503.T5 12.76,68.63 ; J1503.T5 11.43,69.95 ; J1503.T5 11.43,68.63 ; 87.15,3.48 J1101.4 85.65,3.48 ; SW1702.6 14.74,99.28 ; SW1702.6 14.74,97.7 ; SW1702.6 12.3,97.7 ; 97.24,37.67 J1701.S2 ; J1701.S2 97.24,39.22 ; J1701.S2 99.48,39.22 ; J1701.S2 99.48,37.67 ; 58.08,47.35 J1501.T8 ; J1501.T8 59.41,47.35 ; J1501.T8 58.08,46.03 ; J1501.T8 59.41,46.03 ; 2.85,21.89 J901.SH3 2.85,23.31 ; 65.01,7.1 J1001.G2 ; J1001.G2 66.92,10.2 ; J1001.G2 65.01,10.2 ; J1001.G2 66.92,7.1 ; J1503.T2 10.73,50.83 ; J1503.T2 9.4,50.83 ; J1503.T2 10.73,52.15 ; J1503.T2 9.4,52.15 ; 89.69,35.72 BH1405.1 ; BH1405.1 89.69,39.59 ; BH1405.1 93.57,39.59 ; BH1405.1 93.57,35.72